# KiCad board porcupine_4thumb_keys_routed.kicad_pcb
title: porcupine_4thumb_keys; rev: v0.0.1; company: Anarion
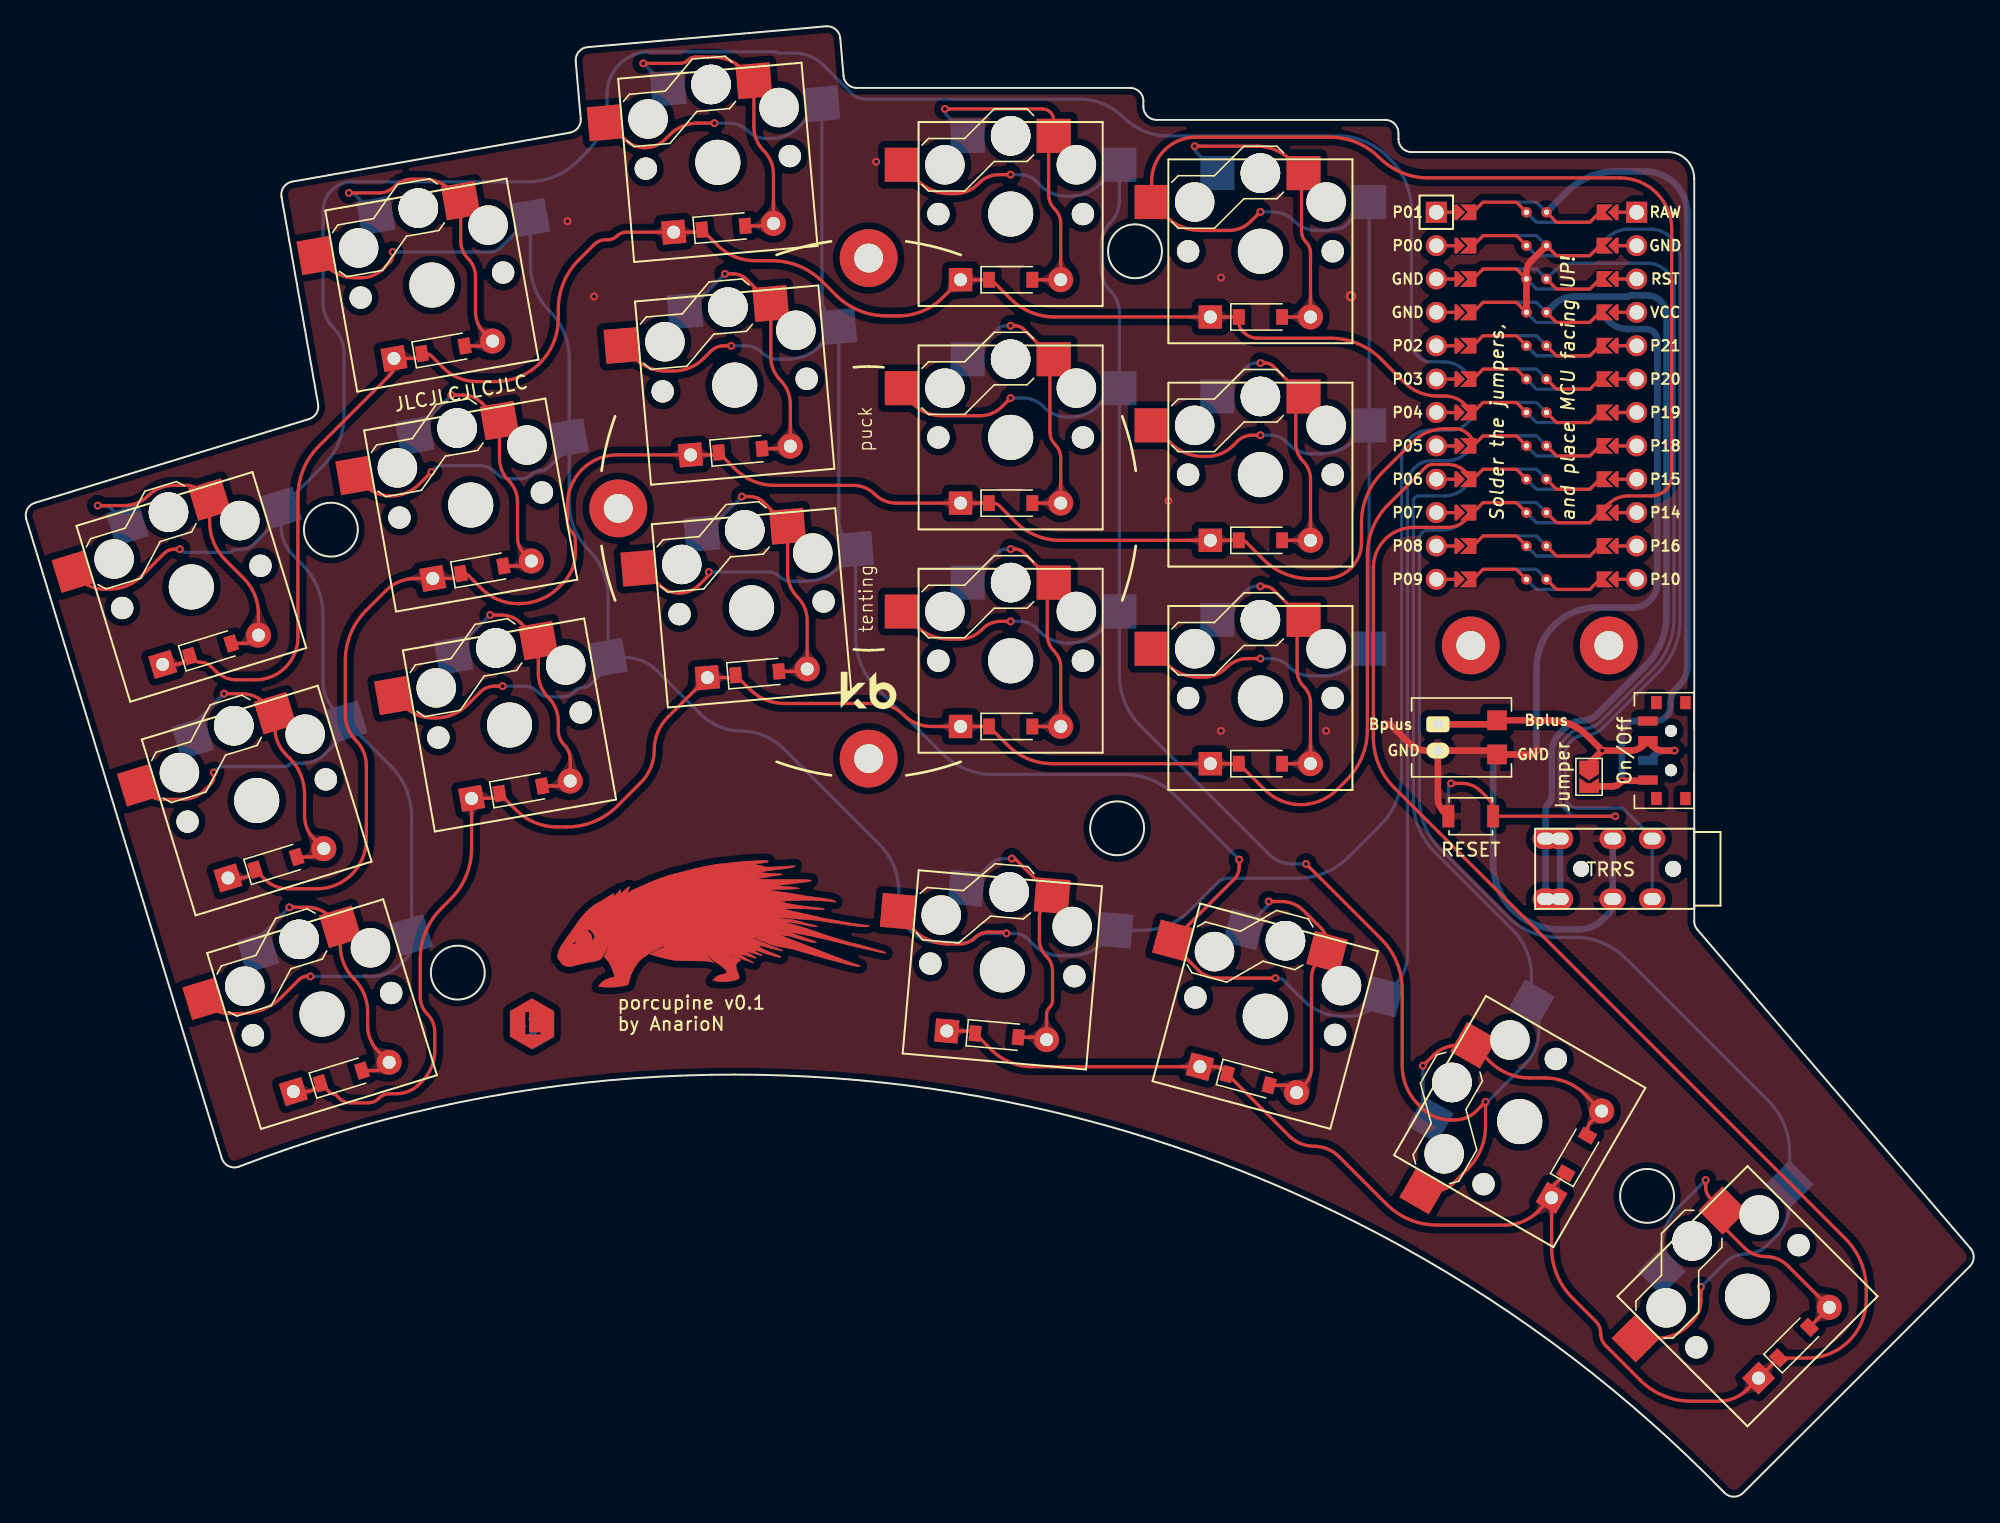
[diagram p0: board, top side]
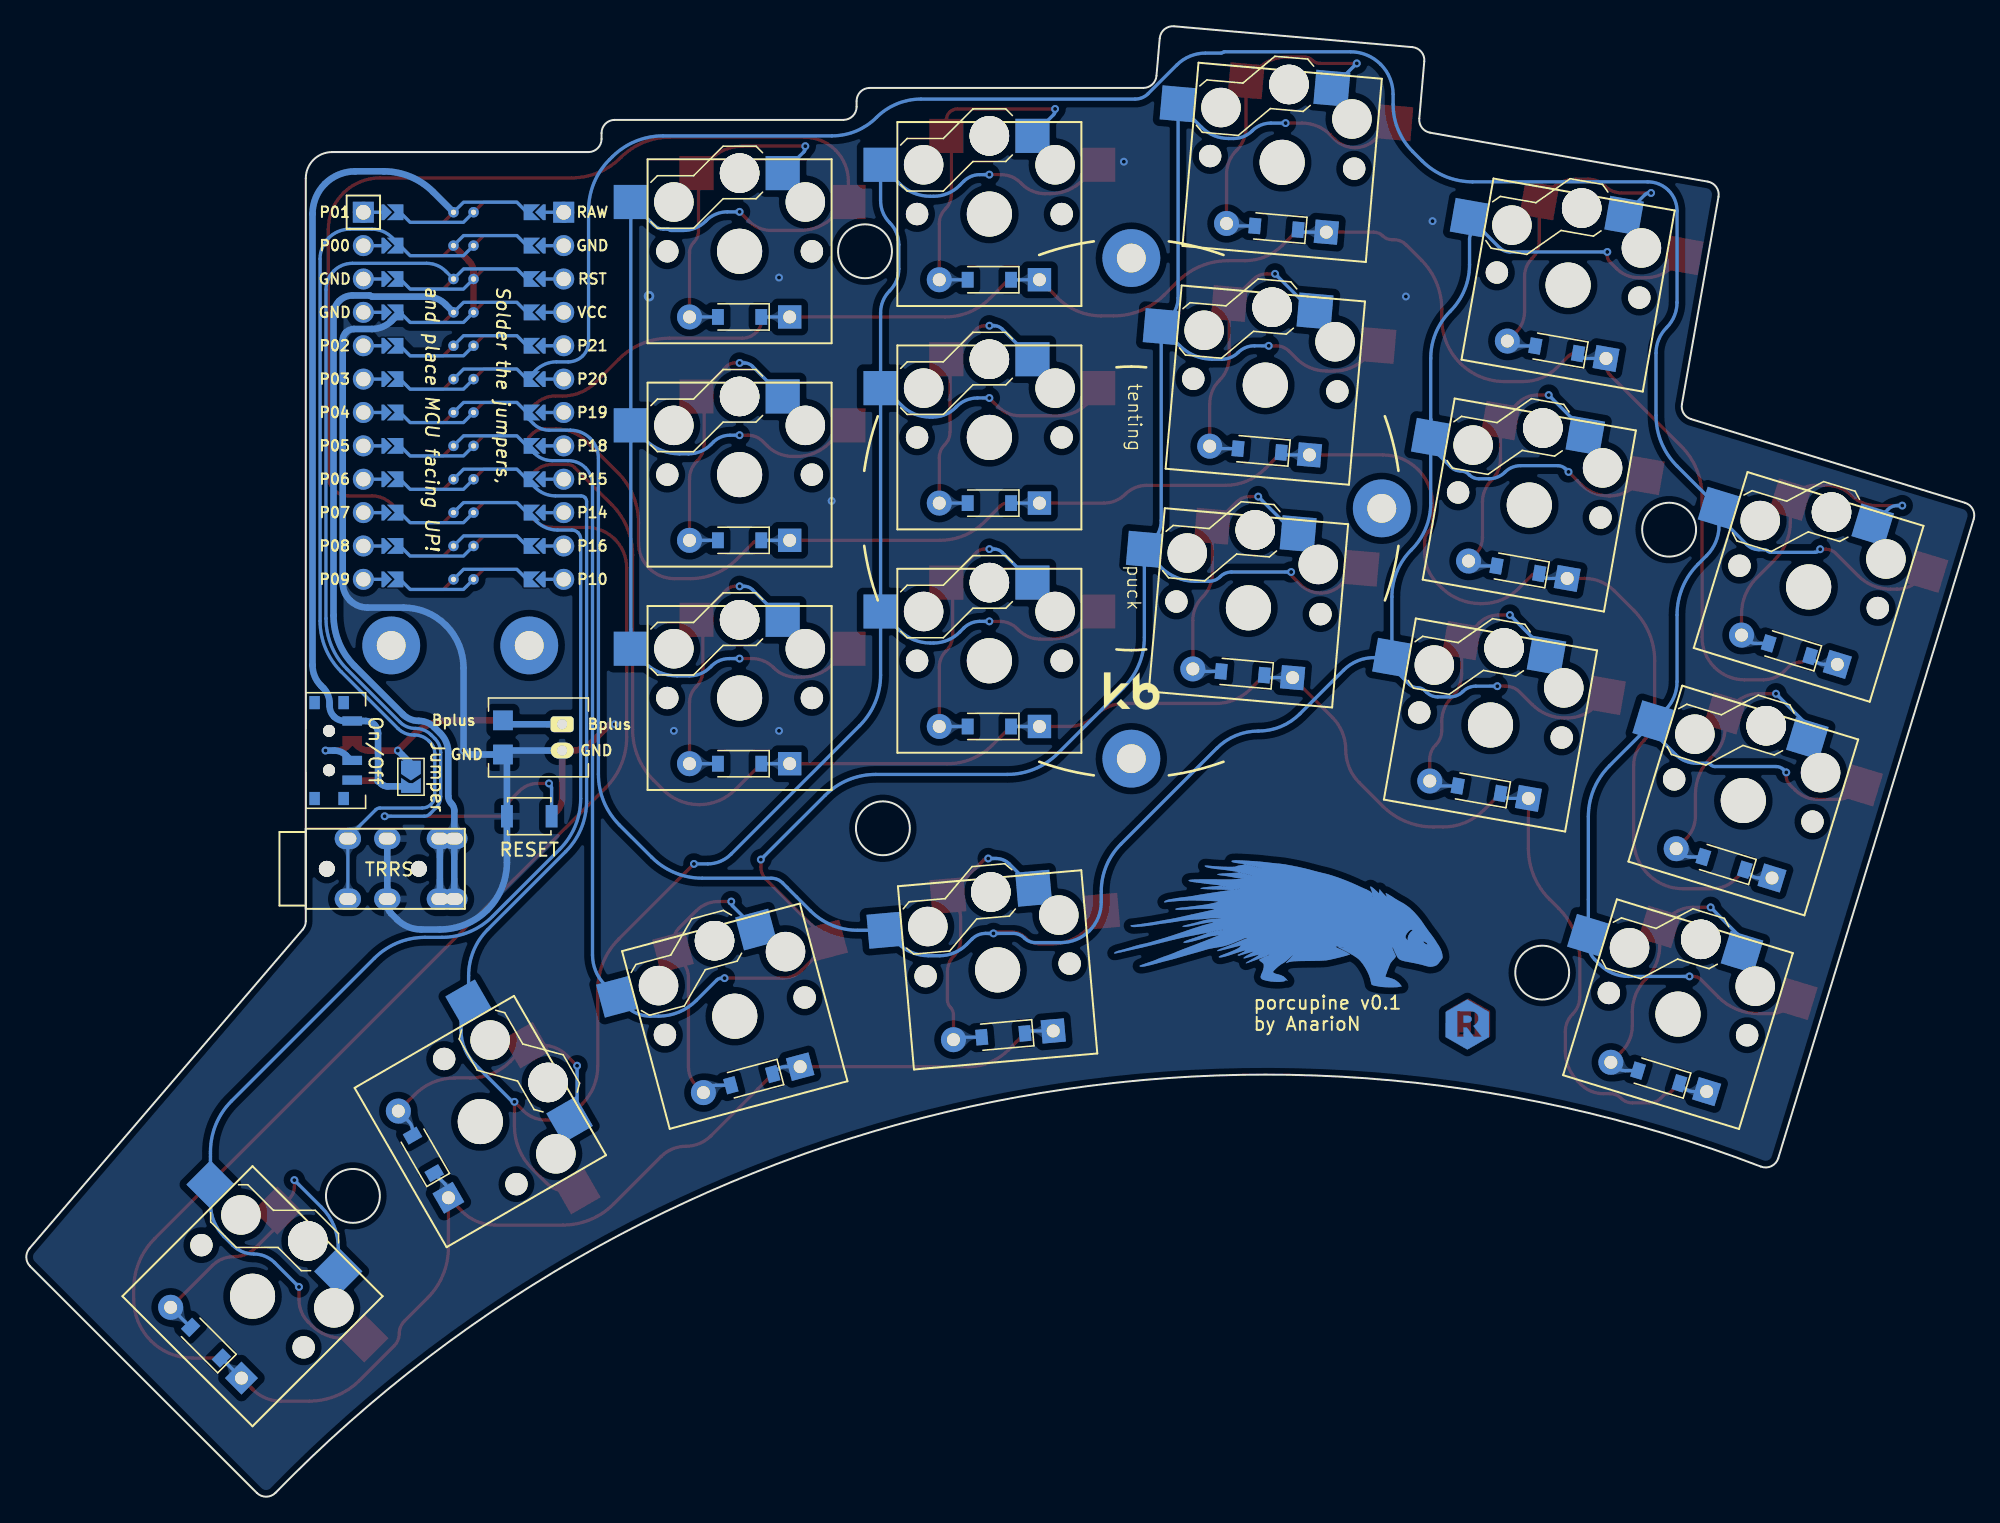
[diagram p1: board, bottom side, seen from below]

Outline 148.14 x 111.91 mm; copper layers: Top, Bottom. Coordinates in mm from the lower left corner of the outline.
Outline path: circle c23.17,73.6 r2.05 ; circle c32.82,39.89 r2.05 ; circle c82.98,50.87 r2.05 ; circle c84.34,94.79 r2.05 ; circle c123.29,22.9 r2.05 ; 0,74.4 arc(0.07,75.16) 0.66,75.65 21.5,82.02 arc(22.06,82.45) 22.2,83.15 19.41,98.93 arc(19.58,99.68) 20.22,100.09 41.35,103.82 arc(41.97,104.19) 42.17,104.89 41.79,109.25 arc(42.02,109.98) 42.7,110.33 60.83,111.91 arc(61.56,111.68) 61.92,111.01 62.17,108.14 arc(62.49,107.49) 63.16,107.22 83.98,107.22 arc(84.68,106.93) 84.98,106.22 84.98,105.79 arc(85.27,105.08) 85.98,104.79 103.38,104.79 arc(104.08,104.5) 104.38,103.79 104.38,103.34 arc(104.67,102.63) 105.38,102.34 124.88,102.34 arc(126.29,101.75) 126.88,100.34 126.88,43.81 arc(126.94,43.46) 127.12,43.16 147.9,18.9 arc(148.14,18.21) 147.85,17.54 130.6,0.29 arc(129.89,0) 129.18,0.3 arc(76.41,29.68) 16.18,25.12 arc(15.39,25.16) 14.87,25.77 0,74.4
Stack: Top 0.035mm / dielectric 1.51mm FR4 er 4.5 / Bottom 0.035mm

## Placement (name value [footprint] x y rotation side)
_2  -  [bat2p0]  107.38 57.79 0 top
_3  -  [SW_SPDT_PCM12]  124.78 56.79 90 top
_4_B  SW_Push  [SW_SPST_B3U-1000P#2]  109.88 51.79 0 bottom
_4_F  SW_Push  [SW_SPST_B3U-1000P]  109.88 51.79 0 top
_9  -  [Tenting Puck]  64.08 75.22 0 top
_73  hole  [Through Hole]  109.88 64.79 0 top
_74  hole  [Through Hole]  120.38 64.79 0 top
D1  D_SOD-123  [SOD-123]  23.96 31.95 17 top
D2  D_SOD-123  [SOD-123]  18.99 48.21 17 top
D3  D_SOD-123  [SOD-123]  14.02 64.46 17 top
D4  D_SOD-123  [SOD-123]  37.63 53.81 10 top
D5  D_SOD-123  [SOD-123]  34.67 70.55 10 top
D6  D_SOD-123  [SOD-123]  31.72 87.3 10 top
D7  D_SOD-123  [SOD-123]  55.61 62.67 5 top
D8  D_SOD-123  [SOD-123]  54.32 79.62 5 top
D9  D_SOD-123  [SOD-123]  53.04 96.58 5 top
D10  D_SOD-123  [SOD-123]  74.88 58.62 0 top
D11  D_SOD-123  [SOD-123]  74.88 75.62 0 top
D12  D_SOD-123  [SOD-123]  74.88 92.62 0 top
D13  D_SOD-123  [SOD-123]  93.88 55.79 0 top
D14  D_SOD-123  [SOD-123]  93.88 72.79 0 top
D15  D_SOD-123  [SOD-123]  93.88 89.79 0 top
D16  D_SOD-123  [SOD-123]  73.81 35.12 355 top
D17  D_SOD-123  [SOD-123]  92.95 31.74 345 top
D18  D_SOD-123  [SOD-123]  117.93 26.05 60 top
D19  D_SOD-123  [SOD-123]  134.46 11.72 45 top
J1  Jumper  [SolderJumper-2_P1.3mm_Open_TrianglePad1.0x1.5mm]  118.88 54.79 270 bottom
J2  Jumper  [SolderJumper-2_P1.3mm_Open_TrianglePad1.0x1.5mm]  118.88 54.79 270 top
LOGO_B  -  [Porcupine Logo]  52.88 43.62 0 bottom
LOGO_F  -  [Porcupine Logo]  52.88 43.62 0 top
MCU1  -  [ProMicro]  114.88 83.79 270 top
PAD1  -  [SMDPad]  111.88 59.09 0 top
PAD2  -  [SMDPad]  111.88 56.49 0 top
S1  -  [PG1350]  22.5 36.73 17 top
S2  -  [PG1350]  17.53 52.99 17 top
S3  -  [PG1350]  12.56 69.25 17 top
S4  -  [PG1350]  36.76 58.74 10 top
S5  -  [PG1350]  33.81 75.48 10 top
S6  -  [PG1350]  30.85 92.22 10 top
S7  -  [PG1350]  55.17 67.65 5 top
S8  -  [PG1350]  53.89 84.61 5 top
S9  -  [PG1350]  52.61 101.56 5 top
S10  -  [PG1350]  74.88 63.62 0 top
S11  -  [PG1350]  74.88 80.62 0 top
S12  -  [PG1350]  74.88 97.62 0 top
S13  -  [PG1350]  93.88 60.79 0 top
S14  -  [PG1350]  93.88 77.79 0 top
S15  -  [PG1350]  93.88 94.79 0 top
S16  -  [PG1350]  74.25 40.1 355 top
S17  -  [PG1350]  94.24 36.57 345 top
S18  -  [PG1350]  113.6 28.55 60 top
S19  -  [PG1350]  130.93 15.26 45 top
Side_B  -  [Side Indicator]  37.08 33.02 0 bottom
Side_F  -  [Side Indicator]  37.08 37.07 0 top
TRRS_B  AudioJack4  [TRRS-PJ-320A-dual#2]  126.88 47.79 270 bottom
TRRS_F  AudioJack4  [TRRS-PJ-320A-dual]  126.88 47.79 270 top

## Library data of the parts
_2 = -: LCSC Part #: C265016
_3 = -: LCSC Part #: C221841
_4_B _4_F = -: Field4: _4
D1-D19 = -: LCSC Part #: C105503
TRRS_B TRRS_F = -: Field4: Tip; Field5: Sleeve; Field6: R outer; Field7: R inner

## Footprints (pads in the part's own frame, mm; a bottom-side part is the same pattern mirrored in y, then rotated)
bat2p0
  rrect 1.75x1.2 hole 0.75: 1(0,1) 1(0,1)
  oval 1.75x1.2 hole 0.75: 2(0,-1) 2(0,-1)
PG1350
  round 1.702 hole 1.702 unplated: (-5.5,0) (5.5,0)
  round 3 hole 3 unplated: (-5,3.75) (0,5.95) (0,5.95) (5,3.75)
  round 3.429 hole 3.429 unplated: (0,0)
  rect 2.6x2.6 smd far side: 1(-3.275,5.95) 2(8.275,3.75)
  rect 2.6x2.6 smd: 1(3.275,5.95) 2(-8.275,3.75)
ProMicro
  round 1.6 hole 1.1: (-13.97,7.62) (-13.97,-7.62) (-11.43,7.62) (-11.43,-7.62) (-8.89,7.62) (-8.89,-7.62) (-6.35,7.62) (-6.35,-7.62) (-3.81,7.62) (-3.81,-7.62) (-1.27,7.62) (-1.27,-7.62) (1.27,7.62) (1.27,-7.62) (3.81,7.62) (3.81,-7.62) (6.35,7.62) (6.35,-7.62) (8.89,7.62) (8.89,-7.62) (11.43,7.62) (11.43,-7.62) (13.97,7.62) (13.97,-7.62)
  rect 1.6x1.6 hole 1.1: (-13.97,7.62) (-13.97,-7.62)
  custom 0.25x1 smd: (-13.97,6.35) (-13.97,-6.35) (-11.43,6.35) (-11.43,-6.35) (-8.89,6.35) (-8.89,-6.35) (-6.35,6.35) (-6.35,-6.35) (-3.81,6.35) (-3.81,-6.35) (-1.27,6.35) (-1.27,-6.35) (1.27,6.35) (1.27,-6.35) (3.81,6.35) (3.81,-6.35) (6.35,6.35) (6.35,-6.35) (8.89,6.35) (8.89,-6.35) (11.43,6.35) (11.43,-6.35) (13.97,6.35) (13.97,-6.35)
  custom 0.25x1 smd far side: (-13.97,6.35) (-13.97,-6.35) (-11.43,6.35) (-11.43,-6.35) (-8.89,6.35) (-8.89,-6.35) (-6.35,6.35) (-6.35,-6.35) (-3.81,6.35) (-3.81,-6.35) (-1.27,6.35) (-1.27,-6.35) (1.27,6.35) (1.27,-6.35) (3.81,6.35) (3.81,-6.35) (6.35,6.35) (6.35,-6.35) (8.89,6.35) (8.89,-6.35) (11.43,6.35) (11.43,-6.35) (13.97,6.35) (13.97,-6.35)
  custom 1.2x0.8 smd: (-13.97,5.842) (-13.97,-5.842) (-11.43,5.842) (-11.43,-5.842) (-8.89,5.842) (-8.89,-5.842) (-6.35,5.842) (-6.35,-5.842) (-3.81,5.842) (-3.81,-5.842) (-1.27,5.842) (-1.27,-5.842) (1.27,5.842) (1.27,-5.842) (3.81,5.842) (3.81,-5.842) (6.35,5.842) (6.35,-5.842) (8.89,5.842) (8.89,-5.842) (11.43,5.842) (11.43,-5.842) (13.97,5.842) (13.97,-5.842)
  custom 1.2x0.8 smd far side: (-13.97,5.842) (-13.97,-5.842) (-11.43,5.842) (-11.43,-5.842) (-8.89,5.842) (-8.89,-5.842) (-6.35,5.842) (-6.35,-5.842) (-3.81,5.842) (-3.81,-5.842) (-1.27,5.842) (-1.27,-5.842) (1.27,5.842) (1.27,-5.842) (3.81,5.842) (3.81,-5.842) (6.35,5.842) (6.35,-5.842) (8.89,5.842) (8.89,-5.842) (11.43,5.842) (11.43,-5.842) (13.97,5.842) (13.97,-5.842)
  custom 1.2x1.25 smd: 1(-13.97,4.826) 2(-11.43,4.826) 3(-8.89,4.826) 4(-6.35,4.826) 5(-3.81,4.826) 6(-1.27,4.826) 7(1.27,4.826) 8(3.81,4.826) 9(6.35,4.826) 10(8.89,4.826) 11(11.43,4.826) 12(13.97,4.826) 13(13.97,-4.826) 14(11.43,-4.826) 15(8.89,-4.826) 16(6.35,-4.826) 17(3.81,-4.826) 18(1.27,-4.826) 19(-1.27,-4.826) 20(-3.81,-4.826) 21(-6.35,-4.826) 22(-8.89,-4.826) 23(-11.43,-4.826) 24(-13.97,-4.826)
  custom 1.016x4.314 smd: 1(-13.97,0.762) 2(-11.43,0.762) 3(-8.89,0.762) 4(-6.35,0.762) 5(-3.81,0.762) 6(-1.27,0.762) 7(1.27,0.762) 8(3.81,0.762) 9(6.35,0.762) 10(8.89,0.762) 11(11.43,0.762) 12(13.97,0.762)
  custom 1.016x5.838 smd far side: 1(-13.97,0.762) 2(-11.43,0.762) 3(-8.89,0.762) 4(-6.35,0.762) 5(-3.81,0.762) 6(-1.27,0.762) 7(1.27,0.762) 8(3.81,0.762) 9(6.35,0.762) 10(8.89,0.762) 11(11.43,0.762) 12(13.97,0.762) 13(13.97,-0.762) 14(11.43,-0.762) 15(8.89,-0.762) 16(6.35,-0.762) 17(3.81,-0.762) 18(1.27,-0.762) 19(-1.27,-0.762) 20(-3.81,-0.762) 21(-6.35,-0.762) 22(-8.89,-0.762) 23(-11.43,-0.762) 24(-13.97,-0.762)
  round 0.8 hole 0.4: 1(-13.97,0.762) 2(-11.43,0.762) 3(-8.89,0.762) 4(-6.35,0.762) 5(-3.81,0.762) 6(-1.27,0.762) 7(1.27,0.762) 8(3.81,0.762) 9(6.35,0.762) 10(8.89,0.762) 11(11.43,0.762) 12(13.97,0.762) 13(13.97,-0.762) 14(11.43,-0.762) 15(8.89,-0.762) 16(6.35,-0.762) 17(3.81,-0.762) 18(1.27,-0.762) 19(-1.27,-0.762) 20(-3.81,-0.762) 21(-6.35,-0.762) 22(-8.89,-0.762) 23(-11.43,-0.762) 24(-13.97,-0.762)
  custom 1.2x1.25 smd far side: 1(-13.97,-4.826) 2(-11.43,-4.826) 3(-8.89,-4.826) 4(-6.35,-4.826) 5(-3.81,-4.826) 6(-1.27,-4.826) 7(1.27,-4.826) 8(3.81,-4.826) 9(6.35,-4.826) 10(8.89,-4.826) 11(11.43,-4.826) 12(13.97,-4.826) 13(13.97,4.826) 14(11.43,4.826) 15(8.89,4.826) 16(6.35,4.826) 17(3.81,4.826) 18(1.27,4.826) 19(-1.27,4.826) 20(-3.81,4.826) 21(-6.35,4.826) 22(-8.89,4.826) 23(-11.43,4.826) 24(-13.97,4.826)
  custom 1.012x4.314 smd: 13(13.97,-0.762) 14(11.43,-0.762) 15(8.89,-0.762) 16(6.35,-0.762) 17(3.81,-0.762) 18(1.27,-0.762) 19(-1.27,-0.762) 20(-3.81,-0.762) 21(-6.35,-0.762) 22(-8.89,-0.762) 23(-11.43,-0.762) 24(-13.97,-0.762)
SMDPad
  rect 1.5x1.5 smd: 1(0,0)
  rect 1.5x1.5 smd far side: 1(0,0)
SOD-123
  rect 0.9x1.2 smd: 1(-1.65,0) 2(1.65,0)
  rect 0.9x1.2 smd far side: 1(-1.65,0) 2(1.65,0)
  round 1.905 hole 0.991: 1(3.81,0)
  rect 1.778x1.778 hole 0.991: 2(-3.81,0)
SolderJumper-2_P1.3mm_Open_TrianglePad1.0x1.5mm
  custom 1.5x1.5 smd: 1(-0.725,0)
  custom 1.15x1.5 smd: 2(0.725,0)
SW_SPDT_PCM12
  rect 1x0.8 smd: (-3.65,0.78) (-3.65,-1.43) (3.65,0.78) (3.65,-1.43)
  rect 1x0.8 smd far side: (-3.65,0.78) (-3.65,-1.43) (3.65,0.78) (3.65,-1.43)
  round 0.9 hole 0.9 unplated: (-1.5,-0.33) (-1.5,-0.33) (1.5,-0.33) (1.5,-0.33)
  rect 0.7x1.5 smd: 1(-2.25,1.43) 2(0.75,1.43) 3(2.25,1.43)
  rect 0.7x1.5 smd far side: 1(2.25,1.43) 2(-0.75,1.43) 3(-2.25,1.43)
SW_SPST_B3U-1000P#2
  rect 0.9x1.7 smd: 1(-1.7,0) 2(1.7,0)
  rect 0.9x1.7 smd far side: 1(1.7,0) 2(-1.7,0)
Tenting Puck
  round 4.4 hole 2.2: 1(-19.05,0) 1(0,19.05) 1(0,-19.05)
Through Hole
  round 4.4 hole 2.2: 1(0,0)
TRRS-PJ-320A-dual
  round 1.2 hole 1.2 unplated: (0,-1.6) (0,-8.6)
TRRS-PJ-320A-dual#2
  round 1.2 hole 1.2 unplated: (0,1.6) (0,8.6)
  oval 1.6x2 hole 0.9x1.3: R1(-2.3,6.2) R1(2.3,6.2) R2(-2.3,3.2) R2(2.3,3.2) S(-2.3,11.3) S(2.3,11.3) T(-2.3,10.2) T(2.3,10.2)

## Nets
GND: _2.2 _4_B.2 MCU1.2 MCU1.21 MCU1.22 PAD2.1 TRRS_B.R1
VCC: MCU1.4 TRRS_B.S TRRS_B.T
Bplus: _2.1 _3.2 J1.1 J2.1 PAD1.1
far_thumb: S19.1
home_thumb: S18.1
index_bottom: S10.1
index_home: S11.1
index_top: S12.1
inner_bottom: S13.1
inner_home: S14.1
inner_thumb: S16.1
inner_top: S15.1
middle_bottom: S7.1
middle_home: S8.1
middle_top: S9.1
near_thumb: S17.1
P0: MCU1.23 TRRS_B.R2
P1: MCU1.24
P2: MCU1.20
P3: MCU1.19
P4: MCU1.18
P4|index_top: D12.1 D12.2
P4|inner_top: D15.1 D15.2
P4|middle_top: D9.1 D9.2
P4|pinky_top: D3.1 D3.2
P4|ring_top: D6.1 D6.2
P5: MCU1.17
P5|index_home: D11.1 D11.2
P5|inner_home: D14.1 D14.2
P5|middle_home: D8.1 D8.2
P5|pinky_home: D2.1 D2.2
P5|ring_home: D5.1 D5.2
P6: MCU1.16
P6|index_bottom: D10.1 D10.2
P6|inner_bottom: D13.1 D13.2
P6|middle_bottom: D7.1 D7.2
P6|pinky_bottom: D1.1 D1.2
P6|ring_bottom: D4.1 D4.2
P7: MCU1.15
P7|far_thumb: D19.1 D19.2
P7|home_thumb: D18.1 D18.2
P7|inner_thumb: D16.1 D16.2
P7|near_thumb: D17.1 D17.2
P8: MCU1.14
P9: MCU1.13
P10: MCU1.12
P14: MCU1.10 S13.2 S14.2 S15.2 S19.2
P15: MCU1.9 S10.2 S11.2 S12.2 S18.2
P16: MCU1.11
P18: MCU1.8 S7.2 S8.2 S9.2 S17.2
P19: MCU1.7 S4.2 S5.2 S6.2 S16.2
P20: MCU1.6 S1.2 S2.2 S3.2
P21: MCU1.5
pinky_bottom: S1.1
pinky_home: S2.1
pinky_top: S3.1
RAW: _3.1 J1.2 J2.2 MCU1.1
ring_bottom: S4.1
ring_home: S5.1
ring_top: S6.1
RST: _4_B.1 MCU1.3

Pads without a net: _3 3; _9 1; _73 1; _74 1

## Via types
v1: diameter 0.6, hole 0.3, Top to Bottom, 54 vias
v2: diameter 0.8, hole 0.4, Top to Bottom, 1 via

## Routing (per net, layer and track width the routed paths; a pad name or vN(x,y) marks a point on that pad's centre or on a via; arc(x,y) is an arc through that point)
GND: length 101.5
  Top w0.5: 106.97,56.79 106.56,56.79 arc(105.81,56.94) 105.17,57.37 103.88,58.66 arc(103.74,58.76) 103.56,58.79 v1(103.38,58.79) ; 106.97,56.79 107.78,56.79 ; 106.97,56.79 arc(107.26,56.67) 107.38,56.38 ; 107.78,56.79 111.37,56.79 arc(111.56,56.75) 111.73,56.64 arc(111.89,56.53) 112.09,56.49 114.37,56.49 arc(114.56,56.53) 114.73,56.64 v1(114.88,56.79) ; 107.78,56.79 arc(107.5,56.67) 107.38,56.38 ; MCU1.21 MCU1.22 114.12,93.19 arc(114.21,93.66) 114.47,94.06 MCU1.2 ; _4_B.2 107.78,52.19 arc(107.48,52.63) 107.38,53.16 107.38,56.38
  Bottom w0.5: TRRS_B.R1 120.68,45.09 arc(120.6,44.72) 120.39,44.4 119.92,43.93 arc(119.09,43.37) 118.1,43.17 116.68,43.17 arc(114.73,43.56) 113.07,44.67 arc(111.97,46.32) 111.58,48.28 _4_B.2 111.58,55.98 arc(111.62,56.17) 111.73,56.34 ; _2.2 111.37,56.79 arc(111.56,56.75) 111.73,56.64 ; 112.09,56.49 114.37,56.49 arc(114.56,56.53) 114.73,56.64 v1(114.88,56.79) 114.88,63.08 arc(115.23,64.84) 116.22,66.33 arc(117.71,67.32) 119.47,67.67 122.19,67.67 arc(122.91,67.82) 123.52,68.22 arc(123.92,68.83) 124.07,69.55 124.07,88.02 arc(124,88.35) 123.82,88.62 arc(123.54,88.81) 123.21,88.87 121.86,88.87 arc(121.03,89.04) 120.34,89.51 119.7,90.14 arc(119.7,90.14) 119.7,90.14 MCU1.21 ; 112.09,56.49 arc(111.89,56.45) 111.73,56.34 ; 112.09,56.49 arc(111.89,56.53) 111.73,56.64 ; 111.73,56.34 arc(111.79,56.49) 111.73,56.64
  vias: v1(41.17,97.08) v1(43.19,91.35) v1(64.65,101.61) v1(86.88,75.79) v1(90.88,92.79) v1(90.88,58.29) v1(98.88,58.29) v2(100.77,91.37)
VCC: length 63.6
  Bottom w0.5: TRRS_B.S TRRS_B.S 115.58,52.21 arc(115.64,52.51) 115.81,52.77 arc(115.98,53.02) 116.04,53.33 116.04,56.64 arc(116.2,57.43) 116.65,58.11 117.1,58.55 arc(117.65,58.92) 118.29,59.05 arc(118.94,59.18) 119.49,59.54 123.17,63.23 arc(124.35,65) 124.77,67.08 124.77,89.97 arc(124.66,90.53) 124.34,91 arc(123.86,91.32) 123.3,91.43 122.04,91.43 arc(121.98,91.42) 121.93,91.38 arc(121.88,91.35) 121.82,91.34 117.69,91.34 arc(116.9,91.18) 116.24,90.74 MCU1.4 ; TRRS_B.T TRRS_B.T
Bplus: length 29.6
  Top w0.5: v1(119.88,56.79) 118.97,55.89 arc(118.9,55.78) 118.88,55.65 J2.1 ; v1(119.88,56.79) 118.73,57.94 arc(117.45,58.79) 115.95,59.09 112.09,59.09 arc(111.89,59.05) 111.73,58.94 arc(111.56,58.83) 111.37,58.79 _2.1 ; v1(119.88,56.79) 122.07,56.79 arc(122.56,56.89) 122.97,57.17 123.33,57.52 arc(123.34,57.53) 123.35,57.52 arc(123.35,57.49) 123.36,57.48 123.71,57.13 arc(124.11,56.87) 124.57,56.77 125.35,56.77 arc(125.36,56.78) 125.37,56.78 v1(125.38,56.79)
  Bottom w0.5: v1(125.38,56.79) 124.71,56.79 arc(124.22,56.69) 123.81,56.42 123.46,56.07 arc(123.43,56.05) 123.39,56.04 _3.2 ; J2.1 118.88,55.65 arc(118.9,55.78) 118.97,55.89 v1(119.88,56.79) ; PAD1.1 111.73,58.94 arc(111.56,58.83) 111.37,58.79 _2.1
far_thumb: length 26.8
  Top w0.25: v1(127.75,24.1) 127.75,23.58 arc(127.84,23.11) 128.11,22.71 128.62,22.2 arc(128.93,21.74) 129.04,21.19 arc(129.15,20.65) 129.45,20.19 130.68,18.96 arc(131.44,18.45) 132.33,18.27 arc(133.23,18.1) 133.99,17.59 137.16,14.42 135.63,12.89
  Bottom w0.25: 135.63,12.89 137.16,14.42 ; S19.1 124.41,18.95 arc(124.74,20.62) 125.68,22.03 v1(127.75,24.1)
home_thumb: length 24.3
  Top w0.25: 118.76,27.48 118.76,27.88 arc(118.83,28.24) 119.04,28.55 119.3,28.81 arc(119.52,29.35) 119.3,29.89 118.58,30.61 arc(117.18,31.55) 115.53,31.87 114.34,31.87 arc(112.71,32.2) 111.33,33.12 110.5,33.95 arc(110.04,34.26) 109.5,34.37 108.91,34.37 arc(107.89,34.16) 107.02,33.58 v1(106.24,32.8)
  Bottom w0.25: v1(106.24,32.8) 106.24,29.67 arc(106.31,29.29) 106.53,28.98 S18.1 ; 119.84,29.35 119.04,28.55 arc(118.83,28.24) 118.76,27.88 118.76,27.48
index_bottom: length 24.1
  Top w0.25: v1(74.88,72.12) 75.24,72.12 arc(75.58,72.06) 75.86,71.87 77.91,69.82 arc(78.01,69.57) 77.91,69.33 arc(77.73,69.06) 77.67,68.74 77.67,65.6 arc(77.8,64.93) 78.18,64.36 arc(78.55,63.8) 78.69,63.13 78.69,58.62 76.53,58.62
  Bottom w0.25: S10.1 73.9,71.87 arc(74.18,72.06) 74.52,72.12 v1(74.88,72.12) ; 76.53,58.62 78.69,58.62
index_home: length 24.1
  Top w0.25: v1(74.88,89.12) 75.24,89.12 arc(75.58,89.06) 75.86,88.87 78.01,86.72 arc(78.07,86.57) 78.01,86.43 arc(77.9,86.27) 77.87,86.09 77.87,81.05 arc(77.97,80.52) 78.28,80.06 arc(78.58,79.61) 78.69,79.07 78.69,75.62 76.53,75.62
  Bottom w0.25: 76.53,75.62 78.69,75.62 ; v1(74.88,89.12) 74.52,89.12 arc(74.18,89.06) 73.9,88.87 S11.1
index_top: length 28.3
  Top w0.25: 76.53,92.62 78.69,92.62 78.69,96.9 arc(78.57,97.5) 78.23,98.01 arc(77.89,98.52) 77.77,99.13 77.77,102.91 arc(77.82,103.17) 77.96,103.38 arc(78.1,103.59) 78.15,103.85 78.15,104.77 arc(78.09,105.1) 77.9,105.37 arc(77.63,105.56) 77.3,105.62 v1(69.88,105.62)
  Bottom w0.25: v1(69.88,105.62) 69.88,105.46 arc(69.91,105.31) 69.99,105.18 S12.1 ; 76.53,92.62 78.69,92.62
inner_bottom: length 24.1
  Top w0.25: v1(93.88,69.29) 94.24,69.29 arc(94.58,69.22) 94.86,69.03 96.91,66.98 arc(97.01,66.74) 96.91,66.5 arc(96.73,66.23) 96.67,65.91 96.67,62.9 arc(96.8,62.23) 97.18,61.66 arc(97.55,61.1) 97.69,60.43 97.69,55.79 95.53,55.79
  Bottom w0.25: S13.1 92.9,69.03 arc(93.18,69.22) 93.52,69.29 v1(93.88,69.29) ; 95.53,55.79 97.69,55.79
inner_home: length 24.2
  Top w0.25: 95.53,72.79 97.69,72.79 97.69,77.46 arc(97.54,78.19) 97.13,78.81 arc(96.71,79.43) 96.57,80.17 96.57,82.74 arc(96.64,83.12) 96.86,83.45 arc(96.98,83.74) 96.86,84.03 94.86,86.03 arc(94.58,86.22) 94.24,86.29 v1(93.88,86.29)
  Bottom w0.25: S14.1 92.9,86.03 arc(93.18,86.22) 93.52,86.29 v1(93.88,86.29) ; 95.53,72.79 97.69,72.79
inner_thumb: length 24.2
  Top w0.25: 75.46,34.97 77.29,34.97 arc(77.41,34.95) 77.52,34.88 arc(77.58,34.87) 77.61,34.92 77.61,36.69 arc(77.67,36.99) 77.84,37.25 arc(78.01,37.5) 78.07,37.8 78.07,39.97 arc(77.94,40.62) 77.57,41.17 arc(77.2,41.73) 77.07,42.38 77.07,44.09 arc(77.19,44.72) 77.55,45.26 arc(77.75,45.74) 77.55,46.22 75.28,48.49 arc(75.19,48.55) 75.08,48.57 v1(74.97,48.57)
  Bottom w0.25: S16.1 73.35,48.15 arc(73.82,48.46) 74.37,48.57 v1(74.97,48.57) ; 75.46,34.97 77.29,34.97 arc(77.41,34.95) 77.52,34.88 77.61,34.78
inner_top: length 27.2
  Top w0.25: 95.53,89.79 97.69,89.79 97.69,94.67 arc(97.6,95.12) 97.35,95.5 arc(97.09,95.87) 97,96.32 97,100.48 arc(97.02,100.58) 97.08,100.67 arc(97.11,100.74) 97.08,100.82 96.13,101.77 arc(94.99,102.52) 93.65,102.79 v1(88.88,102.79)
  Bottom w0.25: 95.53,89.79 97.69,89.79 ; S15.1 88.99,102.35 arc(88.91,102.48) 88.88,102.63 v1(88.88,102.79)
middle_bottom: length 24.2
  Top w0.25: 57.25,62.82 59.08,62.82 arc(59.2,62.84) 59.31,62.91 arc(59.38,63.01) 59.4,63.14 59.4,66.69 arc(59.21,67.66) 58.66,68.48 arc(58.11,69.31) 57.91,70.28 S7.1 56.09,75.69 arc(55.61,76.01) 55.04,76.12 v1(54.43,76.12)
  Bottom w0.25: v1(54.43,76.12) 51.68,73.37 arc(51.6,73.31) 51.5,73.29 S7.1 ; 59.4,63 59.31,62.91 arc(59.2,62.84) 59.08,62.82 57.25,62.82
middle_home: length 24.2
  Top w0.25: 55.97,79.77 57.8,79.77 arc(57.92,79.79) 58.02,79.86 arc(58.09,79.97) 58.12,80.09 58.12,83.17 arc(57.93,84.14) 57.38,84.97 arc(56.82,85.79) 56.63,86.76 S8.1 54.81,92.64 arc(54.33,92.96) 53.76,93.07 v1(53.15,93.07)
  Bottom w0.25: S8.1 50.21,90.25 arc(50.31,90.27) 50.4,90.32 v1(53.15,93.07) ; 58.12,79.96 58.02,79.86 arc(57.92,79.79) 57.8,79.77 55.97,79.77
middle_top: length 27.4
  Top w0.25: v1(46.93,109.09) 49.74,109.09 arc(50.06,109.15) 50.33,109.33 arc(50.59,109.51) 50.91,109.57 52.27,109.57 arc(53.45,109.34) 54.45,108.67 arc(55.11,107.67) 55.35,106.5 55.35,104.24 arc(55.54,103.27) 56.09,102.45 arc(56.64,101.62) 56.84,100.65 56.84,97.04 arc(56.81,96.92) 56.74,96.82 arc(56.64,96.75) 56.51,96.72 54.68,96.72
  Bottom w0.25: v1(46.93,109.09) 46.93,109.09 arc(46.93,109.09) 46.93,109.09 S9.1 ; 54.68,96.72 56.51,96.72 arc(56.64,96.75) 56.74,96.82 56.84,96.91
near_thumb: length 25.4
  Top w0.25: 94.54,31.32 95.68,31.32 arc(96.04,31.24) 96.35,31.04 arc(96.63,30.92) 96.91,31.04 97.2,31.32 arc(97.62,31.95) 97.77,32.7 97.77,39.46 arc(97.92,40.23) 98.36,40.88 98.47,41 arc(98.82,41.52) 98.95,42.14 arc(98.82,42.77) 98.47,43.29 97.16,44.61 arc(96.39,45.12) 95.49,45.3 v1(94.51,45.3)